# Allegro board 6089-103-RevA_73.brd (continued)
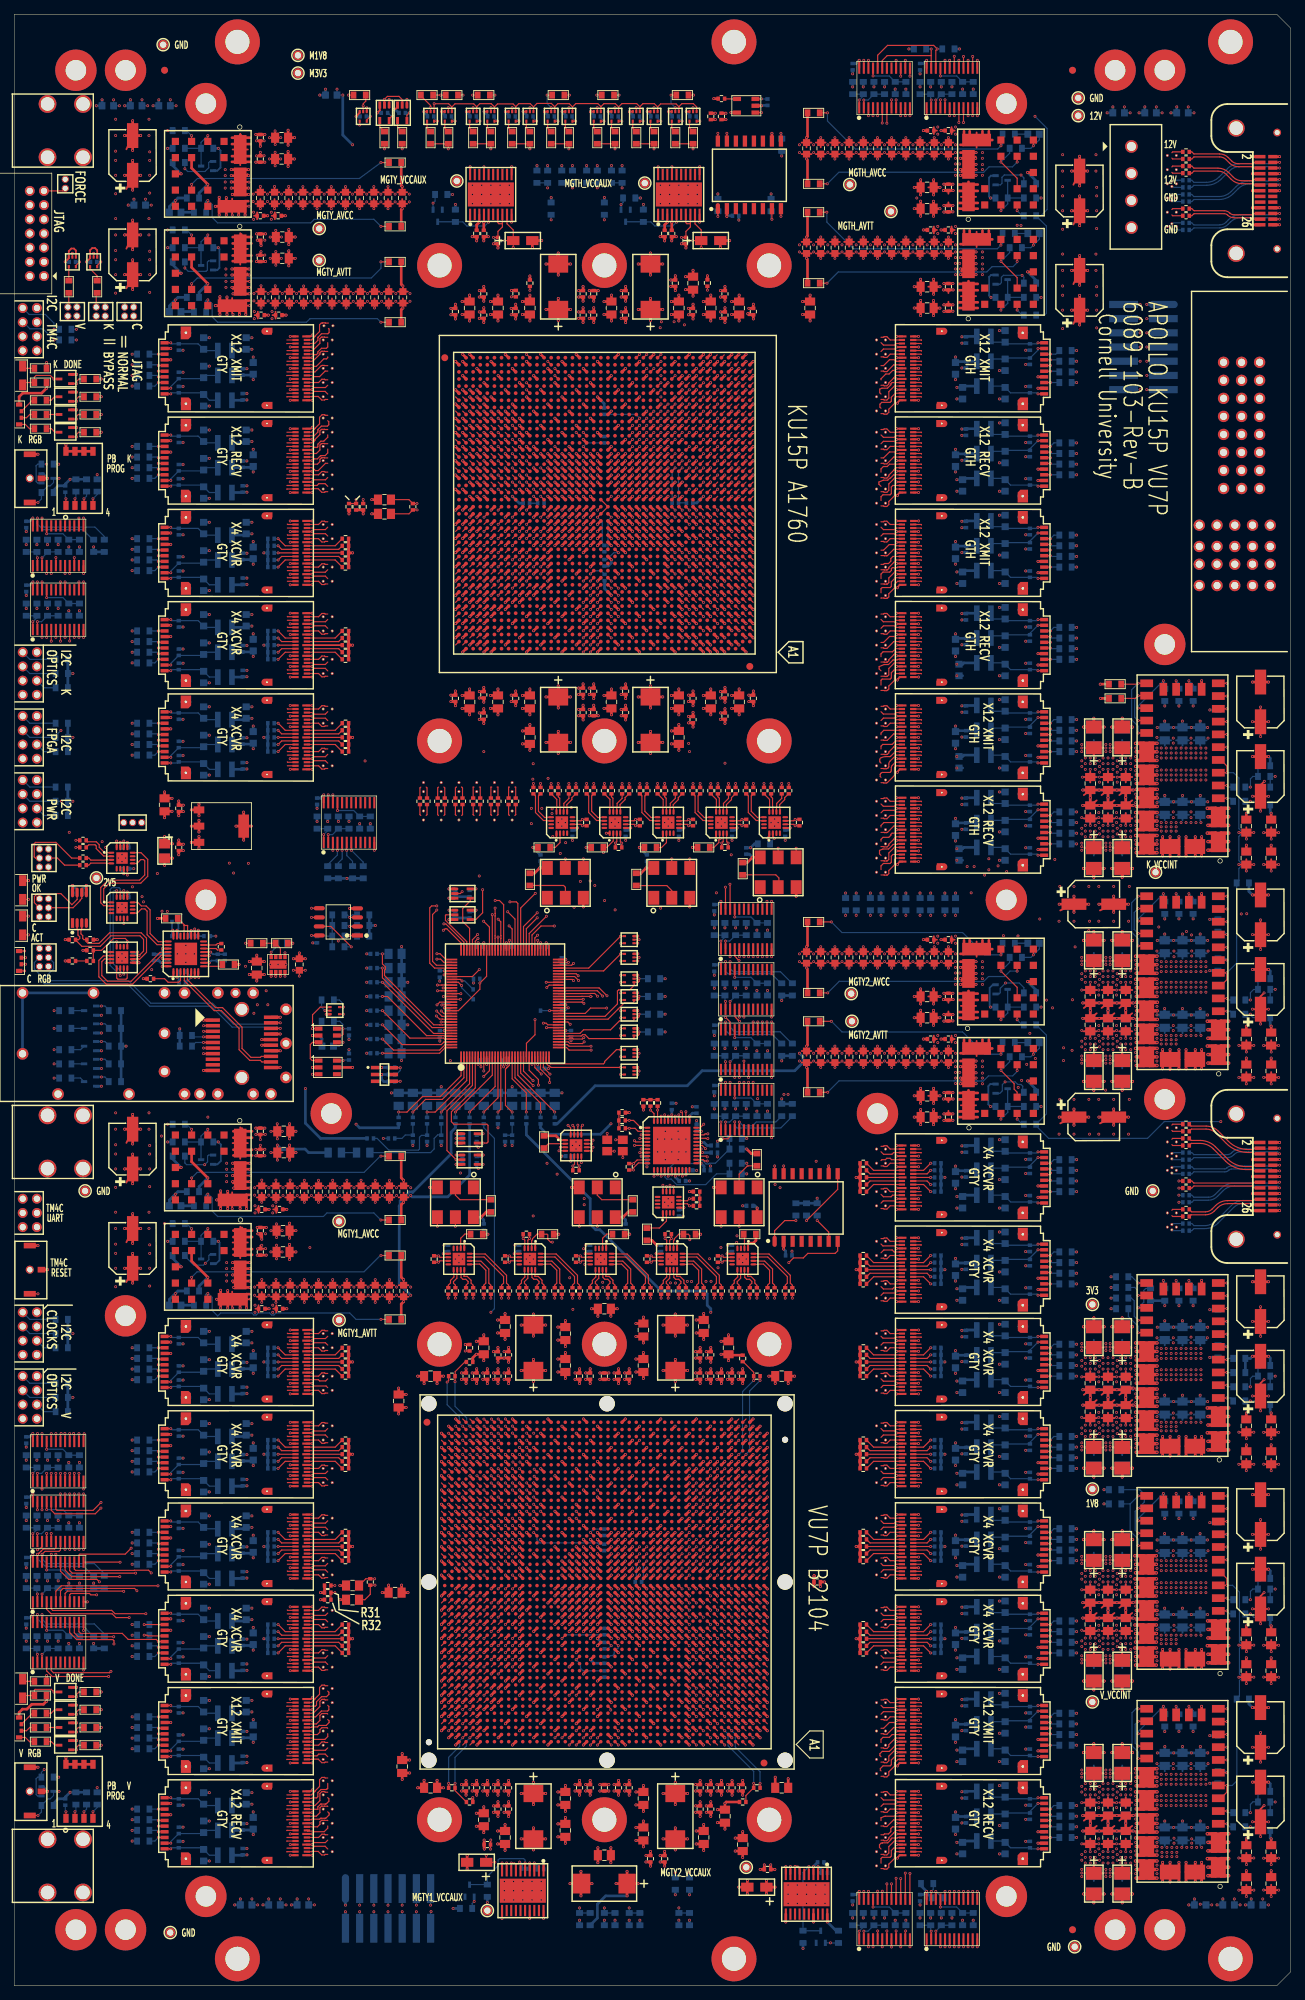
[diagram p0: board, top side]
## Routing (per net, layer and track width the routed paths; a pad name or vN(x,y) marks a point on that pad's centre or on a via; arc(x,y) is an arc through that point) (continued)
N11273298: length 113.5
  TOP w0.165: v1(79.51,142.31) 79.22,142.6 U52.59
  SIG1 w0.079: v1(79.51,142.31) 79.51,144.65 77.28,146.88 77.28,159 78.21,159.93 78.21,165.69 v1(78.55,166.02)
  SIG2 w0.079: v1(78.55,166.02) 77.02,167.55 53.06,167.55 51.4,169.21 29.49,169.21 25.97,172.73 19.81,172.73 7.77,184.76 2.06,184.76 J3.5
N11273351: length 110
  TOP w0.165: v1(78.38,135.48) 78.06,135.8 U52.42
  SIG1 w0.079: v1(72.91,163.75) 72.91,161.63 75.8,158.74 75.8,149.5 75.78,149.48 75.78,149.17 75.8,149.15 75.8,138.03 78.35,135.48 v1(78.38,135.48)
  SIG2 w0.079: v1(72.91,163.75) 52.13,163.75 49.02,166.86 23.85,166.86 23.55,166.55 11.73,166.55 6.32,171.97 2.38,171.97 2.06,172.29 2.06,174.04 J4.5
N11321811: length 50.4
  TOP w0.165: 43.01,149.26 44.65,149.26 v1(47.52,146.38)
  SIG1 w0.079: v1(18.23,152.72) 17.39,153.56 17.39,157.62 16.7,158.31 J16.2
  SIG2 w0.079: v1(18.23,152.72) 21.58,152.72 24.61,149.7 38.24,149.7 41.55,146.38 v1(47.52,146.38)
  BOTTOM w0.165: v1(47.52,146.38) 46.58,146.38 R533.2
N11416929: length 6.9
  TOP w0.165: U66.T29 v1(77.22,48.94)
  BOTTOM w0.165: v1(77.22,48.94) 77.73,49.45 R471.2
N12333393: length 2.6
  TOP w0.165: U124.7 v1(170.95,90.03)
  BOTTOM w0.165: R231.1 170.72,90.26 v1(170.95,90.03)
N12522065: length 1.6
  TOP w0.165: R20.2 R13.1
N12522900: length 4
  TOP w0.165: R28.2 R29.1 37.52,146.21 37.52,144.95
N12570010: length 2.2
  TOP w0.165: U31.8 v1(36.23,145.64)
  BOTTOM w0.165: v1(36.23,145.64) 36.89,146.3 C834.1
N13337343: length 10.1
  TOP w0.165: v1(70.2,123.11) 69.25,124.06 69.25,129.15 69.41,129.31 69.41,129.37 69.49,129.45 69.56,129.45 69.79,129.67 69.79,130 69.73,130.05 69.74,130.05 69.74,130.84 U52.18
  BOTTOM w0.165: R491.2 v1(70.2,123.11) C782.1
N13337502: length 10.3
  TOP w0.165: U52.19 70.2,127.8 72.2,125.8 v1(72.2,123.11)
  BOTTOM w0.165: C779.1 v1(72.2,123.11) R490.2
N13337662: length 10.9
  TOP w0.165: U52.20 70.6,127.95 74.2,124.35 v1(74.2,123.11)
  BOTTOM w0.165: C775.1 v1(74.2,123.11) R487.2
N13337823: length 11.6
  TOP w0.165: v1(76.2,123.11) 71,128.31 U52.21
  BOTTOM w0.165: R483.2 v1(76.2,123.11) C770.1
N13338747: length 13.6
  BOTTOM w0.165: R502.1 R503.1 60.15,119.9 59.7,119.9 59.2,119.4 59.2,117.9 58.7,117.4 R524.2
N13338944: length 2.1
  BOTTOM w0.165: R524.1 R534.2
N13383009: length 1.8
  TOP w0.165: U90.4 100.18,265.87 C271.1
N13723567: length 4.6
  TOP w0.165: U33.1 42.9,130.37 42.01,130.37 41.74,130.64 41.74,132.62 42.06,132.93 U32.3
N13726889: length 69
  TOP w0.165: U33.3 v1(42.04,128.43) ; SW2.2 v1(3.35,97.5)
  SIG3 w0.079: v1(42.04,128.43) 42.04,113.49 41.09,112.54 41.09,111.2 41.69,110.61 v1(41.69,104.02)
  SIG4 w0.079: v1(3.35,97.5) 6.59,97.5 12.69,103.6 34.11,103.6 34.41,103.3 35.8,103.3 36.05,103.06 41.53,103.06 41.69,103.22 v1(41.69,104.02)
N13727369: length 2.4
  TOP w0.165: U32.4 v1(46.36,132.93)
  BOTTOM w0.165: C830.1 45.82,132.4 v1(46.36,132.93)
N13828637: length 2
  BOTTOM w0.165: Q25.3 9.35,127.9 R681.1
N13828747: length 1.8
  BOTTOM w0.165: R680.1 Q24.3
N13828857: length 2
  BOTTOM w0.165: Q23.3 9.35,131.9 R679.1
N13829314: length 2
  TOP w0.165: Q4.3 5.75,218.9 5.25,219.4 R5.1
N13829424: length 1.8
  TOP w0.165: Q3.3 R4.1
N13829534: length 2
  TOP w0.165: Q2.3 5.7,223.9 5.2,223.4 R3.1
N13830015: length 2
  TOP w0.165: Q8.3 5.75,33.9 5.25,34.4 R10.1
N13830125: length 1.8
  TOP w0.165: Q7.3 R9.1
N13830235: length 2
  TOP w0.165: Q6.3 5.7,38.9 5.2,38.4 R8.1
N13855428: length 18.4
  TOP w0.165: D2.4 v1(1.45,143)
  SIG2 w0.079: v1(1.45,143) 1.66,143 2.17,142.49 2.17,131.36 v1(5.63,127.9)
  BOTTOM w0.165: R681.2 v1(5.63,127.9)
N13855430: length 17.1
  TOP w0.165: D2.2 v1(1.6,143.94)
  SIG2 w0.079: v1(1.6,143.94) 2.52,143.02 2.52,132.81 5.43,129.9 v1(5.63,129.9)
  BOTTOM w0.165: R680.2 v1(5.63,129.9)
N13855432: length 15.9
  TOP w0.165: D2.1 v1(1.6,144.86)
  SIG2 w0.079: v1(5.63,131.9) 2.83,134.7 2.83,143.63 v1(1.6,144.86)
  BOTTOM w0.165: R679.2 v1(5.63,131.9)
N13855604: length 2.4
  TOP w0.165: R5.2 2.17,219.4 1.56,220 D1.4
N13855606: length 2
  TOP w0.165: D1.2 1.74,220.94 2.19,221.4 R4.2
N13855608: length 2.4
  TOP w0.165: R3.2 2.56,223.4 D1.1
N13855686: length 2.4
  TOP w0.165: R10.2 2.17,34.4 1.56,35 D3.4
N13855688: length 2
  TOP w0.165: D3.2 1.74,35.94 2.19,36.4 R9.2
N13855690: length 2.4
  TOP w0.165: R8.2 2.56,38.4 D3.1
N13857766: length 1.8
  BOTTOM w0.165: R678.1 Q22.3
N13904881: length 1.8
  TOP w0.165: R1.1 1.52,227.9 D4.2
N13905573: length 1.8
  TOP w0.165: R6.1 1.52,42.9 D7.2
N13906200: length 1.8
  BOTTOM w0.165: R677.1 Q21.3
N13909742: length 106.2
  TOP w0.165: U52.36 78.2,133.4 78.34,133.54 78.66,133.54 78.8,133.4 80.1,133.4 v1(80.3,133.6)
  SIG3 w0.079: v1(80.3,133.6) 80.65,133.6 80.91,133.34 80.91,110.61 v1(80.36,110.06)
  SIG4 w0.079: v1(80.36,110.06) 80.35,110.06 37.09,110.06 36.59,109.56 36.31,109.56 35.81,110.06 34.76,110.06 34.57,110.24 13.68,110.24 12.34,108.9 J6.4
N13910342: length 2.3
  TOP w0.165: 169.75,167.32 v1(170.95,167.32)
  BOTTOM w0.165: v1(170.95,167.32) 171.41,167.32 R216.1
N13910346: length 2.2
  TOP w0.165: U122.4 v1(170.95,169.12)
  BOTTOM w0.165: v1(170.95,169.12) 171.18,168.9 R215.1
N13914390: length 2.3
  TOP w0.165: 169.75,137.32 v1(170.95,137.32)
  BOTTOM w0.165: v1(170.95,137.32) 171.41,137.32 R218.1
N13914416: length 2.2
  TOP w0.165: U123.4 v1(170.95,139.12)
  BOTTOM w0.165: R217.1 171.18,138.9 v1(170.95,139.12)
N13914534: length 2.3
  TOP w0.165: U125.3 v1(170.95,52.83)
  BOTTOM w0.165: R224.1 171.38,52.4 v1(170.95,52.83)
N13914560: length 2.2
  TOP w0.165: U125.4 v1(170.95,54.62)
  BOTTOM w0.165: v1(170.95,54.62) 171.18,54.4 R223.1
N13914678: length 2.3
  TOP w0.165: U126.3 v1(170.95,22.82)
  BOTTOM w0.165: R226.1 171.38,22.4 v1(170.95,22.82)
N13914704: length 2.2
  TOP w0.165: U126.4 v1(170.95,24.62)
  BOTTOM w0.165: v1(170.95,24.62) 171.18,24.4 R225.1
N13914806: length 2.3
  TOP w0.165: U124.3 v1(170.95,82.83)
  BOTTOM w0.165: v1(170.95,82.83) 171.51,82.83 171.84,82.5 R222.1
N13914832: length 2.2
  TOP w0.165: U124.4 v1(170.95,84.62)
  BOTTOM w0.165: R221.1 171.18,84.4 v1(170.95,84.62)
N13966502: length 11.6
  TOP w0.165: U66.AK33 v1(73.24,63.87)
  BOTTOM w0.165: R475.2 82.41,62.23 82.23,62.41 74.13,62.41 73.7,62.84 U66.AK33 v1(73.24,63.87)
N13967707: length 3
  TOP w0.165: U65.R20 v1(85.17,201.93)
  BOTTOM w0.165: v1(85.17,201.93) 84.53,201.93 83.55,200.95 R470.2
N13971172: length 24.7
  TOP w0.165: R102.2 v1(72.7,238.89) ; v1(76.23,216.87) 76.7,216.44 U65.AJ28
  SIG1 w0.079: v1(72.7,238.89) 73.68,237.91 73.68,231.52 75.7,229.5 75.7,217.4 v1(76.23,216.87)
N14020902: length 19.5
  TOP w0.165: D5.1 v1(2.01,153.08)
  SIG2 w0.079: v1(5.63,137.4) 5.63,137.47 6.03,137.87 6.03,147.19 4.16,149.06 3.38,149.06 2.69,149.75 2.69,152.4 v1(2.01,153.08)
  BOTTOM w0.165: R677.2 v1(5.63,137.4)
N14020936: length 18.1
  TOP w0.165: D6.1 v1(2.01,148.08)
  SIG2 w0.079: v1(5.63,134.9) 5.13,135.4 5.13,137.95 5.57,138.39 5.57,147.15 4.64,148.08 v1(2.01,148.08)
  BOTTOM w0.165: R678.2 v1(5.63,134.9)
N14121407: length 3.6
  TOP w0.165: U66.R22 84.7,48.35 v1(85.16,47.93)
  BOTTOM w0.165: R468.2 83.89,46.34 84.07,46.52 84.34,46.52 84.59,46.76 84.59,47.04 85.16,47.62 v1(85.16,47.93)
N14169092: length 5.9
  TOP w0.165: U65.AN17 87.73,220.4 v1(88.17,220.87)
  BOTTOM w0.165: R476.2 87.62,221.42 v1(88.17,220.87)
N14169120: length 2.5
  TOP w0.165: U52.46 v1(75.47,137.4)
  BOTTOM w0.165: v1(75.47,137.4) TP1.1
N14169180: length 4.2
  TOP w0.165: v1(63.08,140.94) 62.62,141.4 U52.105
  BOTTOM w0.165: v1(63.08,140.94) 63.08,140.63 TP3.1
N14169184: length 3.6
  TOP w0.165: U52.104 62.92,141.8 v1(63.13,141.59)
  BOTTOM w0.165: v1(63.13,141.59) 63.52,141.59 TP2.1
N14265313: length 15.2
  TOP w0.165: U65.AW12 v1(93.17,226.87) ; R141.2 v1(97.73,238.92)
  SIG4 w0.079: v1(93.17,226.87) 93.7,227.4 93.7,231.12 97.72,235.14 97.72,238.92 v1(97.73,238.92)
N14265468: length 11.2
  TOP w0.165: U65.BB32 v1(72.23,229.87) ; R99.2 v1(70.09,237.98)
  SIG4 w0.079: v1(72.23,229.87) 72.23,237.46 71.71,237.97 v1(70.09,237.97)
N14265537: length 3.1
  TOP w0.165: U65.M23 v1(81.23,198.93)
  BOTTOM w0.165: R465.2 83.23,198.88 82.73,199.38 81.68,199.38 v1(81.23,198.93)
N14265607: length 14.8
  TOP w0.165: R89.2 v1(63.59,89.45) ; U66.BD38 v1(68.23,77.86)
  SIG2 w0.079: v1(63.59,89.45) 64.14,88.9 64.14,85.06 67.75,81.45 67.75,78.34 v1(68.23,77.86)
N14265676: length 5.7
  TOP w0.165: U66.N27 v1(79.22,45.93)
  BOTTOM w0.165: v1(79.22,45.93) 79.83,45.32 79.83,44.76 80.21,44.38 R467.2
N14265824: length 1.8
  TOP w0.165: U66.R23 v1(84.17,47.93)
  BOTTOM w0.165: R466.2 83.71,47.48 v1(84.17,47.93)

## Copper pours and planes (outline as drawn; the poured copper is in the pictures)
GND on TOP: 13.4,258 13.4,263.5 20,263.5 20,258
GND on TOP: 150.19,54.41 150.19,51.38 158.42,51.38 158.42,54.41
GND on TOP: 30.8,256.1 30.8,252.25 28.1,252.25 28.1,256.1
GND on TOP: 110.1,130.5 110.1,126.9 133.8,126.9 133.8,130.5
GND on TOP: 150.2,168.91 150.2,165.88 158.43,165.88 158.43,168.91
GND on TOP: 146.9,253 146.9,258.5 153.5,258.5 153.5,253
GND on TOP: 110.1,144.5 110.1,140.9 133.8,140.9 133.8,144.5
GND on TOP: 32.84,242.1 32.84,238.16 56.89,238.16 56.89,242.1
GND on TOP: 110.1,258.5 110.1,254.9 133.8,254.9 133.8,258.5
GND on TOP: 160.93,168.83 160.93,165.93 168.53,165.93 168.53,168.83
GND on TOP: 160.9,54.4 160.9,51.4 167.5,51.4 167.5,51.9 168.5,51.9 168.5,54.4
GND on TOP: 150.2,138.91 150.2,135.88 158.43,135.88 158.43,138.91
GND on TOP: 31,116.1 31,112.25 28.3,112.25 28.3,116.1
GND on TOP: 13.4,244 13.4,249.5 20,249.5 20,244
GND on TOP: 150.2,24.39 150.2,21.36 158.43,21.36 158.43,24.39
GND on TOP: 160.9,24.32 160.9,21.41 168.5,21.41 168.5,24.32
GND on TOP: 146.9,239 146.9,244.5 153.5,244.5 153.5,239
GND on TOP: 135.2,244.5 135.2,240.9 138.4,240.9 138.4,244.5
GND on TOP: 150.18,84.39 150.18,81.36 158.41,81.36 158.41,84.39
GND on TOP: 152.4,125.7 152.4,119.1 157.8,119.1 157.8,125.7
GND on TOP: 13.4,118 13.4,123.5 20,123.5 20,118
GND on TOP: 152.4,155.7 152.4,149.1 157.8,149.1 157.8,155.7
GND on TOP: 135.2,144.5 135.2,140.9 138.4,140.9 138.4,144.5
GND on TOP: 110.1,244.5 110.1,240.9 133.8,240.9 133.8,244.5
GND on TOP: 160.94,84.33 160.94,81.42 168.54,81.42 168.54,84.33
GND on TOP: 30.9,242.1 30.9,238.25 28.2,238.25 28.2,242.1
GND on TOP: 31,102.1 31,98.25 28.3,98.25 28.3,102.1
GND on TOP: 135.2,130.5 135.2,126.9 138.4,126.9 138.4,130.5
GND on TOP: 32.95,102.1 32.95,98.16 56.99,98.16 56.99,102.1
GND on TOP: 160.94,138.83 160.94,135.93 168.54,135.93 168.54,138.83
GND on TOP: 13.4,104 13.4,109.5 20,109.5 20,104
GND on TOP: 135.2,258.5 135.2,254.9 138.4,254.9 138.4,258.5
GND on TOP: 32.74,256.1 32.74,252.16 56.79,252.16 56.79,256.1
GND on TOP: 32.95,116.1 32.95,112.16 56.99,112.16 56.99,116.1
VCC_1V8 on TOP: 158.4,81.1 158.4,74.9 150.2,74.9 150.2,81.1
VCC_1V8 on TOP: 160.9,81.1 160.9,78 164.4,78 164.4,79 167.8,79 167.8,81.1
VCC_1V8 on BOTTOM: 150.21,81.04 150.21,74.25 170.96,74.25 170.96,81.04 ; 1 cut-out
VCC_2V5 on PWR3: 1.2,124.9 1.2,170.9 31.7,170.9 31.7,138.9 42.2,138.9 42.2,124.9 ; 9 cut-outs
VCC_3V3 on TOP: 158.4,90.8 158.4,84.7 150.2,84.7 150.2,90.8
VCC_3V3 on TOP: 160.9,91.6 160.9,84.7 168.4,84.7 168.4,91.6
VCC_3V3 on BOTTOM: 150.19,91.69 150.19,84.9 170.94,84.9 170.94,91.69
VCC_12V on TOP: 13.4,98.1 13.4,103.6 20,103.6 20,98.1
VCC_12V on TOP: 128.7,254.7 128.7,248.9 136,248.9 136,254.7
VCC_12V on TOP: 152.1,155.7 152.1,149.1 146.8,149.1 146.8,155.7
VCC_12V on TOP: 178.7,180.4 178.7,156.4 164.9,156.4 164.9,162.9 171.2,162.9 171.2,180.4
VCC_12V on TOP: 30.5,247.9 30.5,242.35 33.85,242.35 33.85,242.1 37.91,242.1 37.91,247.9
VCC_12V on TOP: 13.4,112.1 13.4,117.6 20,117.6 20,112.1
VCC_12V on TOP: 13.4,238.1 13.4,243.6 20,243.6 20,238.1
VCC_12V on TOP: 152.1,125.7 152.1,119.1 146.8,119.1 146.8,125.7
VCC_12V on TOP: 30.6,107.9 30.6,102.35 33.95,102.35 33.95,102.1 38.01,102.1 38.01,107.9
VCC_12V on TOP: 128.7,240.7 128.7,234.9 136,234.9 136,240.7
VCC_12V on TOP: 13.4,252.1 13.4,257.6 20,257.6 20,252.1
VCC_12V on TOP: 178.7,35.9 178.7,11.9 164.9,11.9 164.9,18.4 171.2,18.4 171.2,35.9
VCC_12V on TOP: 146.9,233.1 146.9,238.6 153.5,238.6 153.5,233.1
VCC_12V on TOP: 178.7,65.9 178.7,41.9 164.9,41.9 164.9,48.4 171.2,48.4 171.2,65.9
VCC_12V on TOP: 30.6,121.9 30.6,116.35 33.95,116.35 33.95,116.1 38.01,116.1 38.01,121.9
VCC_12V on TOP: 146.9,247.1 146.9,252.6 153.5,252.6 153.5,247.1
VCC_12V on TOP: 30.4,261.9 30.4,256.35 33.75,256.35 33.75,256.1 37.8,256.1 37.8,261.9
VCC_12V on TOP: 178.7,150.4 178.7,126.4 164.9,126.4 164.9,132.9 171.2,132.9 171.2,150.4
VCC_12V on TOP: 128.7,140.7 128.7,134.9 136,134.9 136,140.7
VCC_12V on TOP: 128.7,126.7 128.7,120.9 136,120.9 136,126.7
VCC_12V on TOP: 178.7,95.9 178.7,71.9 164.9,71.9 164.9,78.4 171.2,78.4 171.2,95.9
VCC_12V on PWR3: 123.7,170.9 123.7,149.9 125.2,149.9 125.2,170.9
VCC_M1V8 on PWR2: 47.2,120.9 47.2,259.9 48.7,259.9 48.7,120.9
VCC_M1V8 on PWR4: 1.2,276.4 1.2,239.9 12.7,239.9 12.7,258.4 97.2,258.4 97.2,262.4 109.2,262.4 109.2,276.4
VCC_M3V3 on PWR1: 97.2,126.9 97.2,154.9 35.7,154.9 35.7,139.9 41.2,139.9 41.2,126.9 51.2,126.9 51.2,115.4 67.2,115.4 67.2,121.4 76.7,121.4 76.7,126.9
VCC_M3V3 on PWR2: 178.7,1.4 169.7,1.4 169.7,262.9 102.7,262.9 102.7,258.4 49.2,258.4 49.2,260.4 46.7,260.4 46.7,1.4 1.2,1.4 1.2,276.4 178.7,276.4 ; 12 cut-outs
(no net) on GND1, GND2, GND3, GND4, GND5, GND6: 1.2,1.4 1.2,276.4 178.7,276.4 178.7,1.4 ; 274 cut-outs
(no net) on PWR1: 1.2,1.4 1.2,276.4 178.7,276.4 178.7,1.4 ; 253 cut-outs
(no net) on PWR3: 27.2,114.9 27.2,108.4 43.2,108.4 43.2,100.9 68.2,100.9 68.2,74.4 65.7,74.4 65.7,72.9 68.2,72.9 68.2,56.9 69.7,56.9 69.7,51.4 67.2,51.4 67.2,45.9 67.7,45.9 67.7,18.9 82.7,18.9 82.7,114.9 ; 2 cut-outs
(no net) on PWR3: 139.2,261.9 139.2,255.9 123.7,255.9 123.7,249.4 95.7,249.4 95.69,171.9 83.7,171.9 83.7,261.9
(no net) on PWR3: 27.7,254.9 27.7,248.6 43.2,248.6 43.2,241.9 71.7,241.9 71.7,171.9 82.7,171.9 82.7,254.9
(no net) on PWR3: 178.69,276.41 178.69,1.4 1.2,1.4 1.2,123.9 43.2,123.9 43.2,139.9 32.7,139.9 32.7,170.9 124.2,170.9 124.2,149.9 82.7,149.9 82.7,115.9 26.2,115.9 26.2,107.4 42.2,107.4 42.2,100.9 26.2,100.9 26.2,17.9 124.7,17.9 124.7,126.9 140.2,126.9 140.2,135.4 124.7,135.4 124.7,140.9 140.2,140.9 140.2,149.9 124.7,149.9 124.7,240.9 140.2,240.9 140.2,249.4 124.7,249.4 124.7,254.9 140.2,254.9 140.2,262.9 82.7,262.9 82.7,255.9 26.7,255.9 26.7,247.6 42.2,247.6 42.2,241.9 26.2,241.9 26.2,171.9 1.2,171.9 1.2,276.34 ; 274 cut-outs
(no net) on PWR3: 83.7,148.9 83.7,18.9 97.7,18.9 97.7,33.4 100.2,33.4 100.2,36.4 97.2,36.4 97.2,39.9 97.7,39.9 97.7,41.9 97.2,41.9 97.2,43.9 97.7,43.9 97.7,46.4 97.2,46.4 97.2,67.4 98.2,67.4 98.2,68.9 97.7,68.9 97.7,71.4 100.2,71.4 100.2,74.9 97.7,74.9 97.7,135.4 123.7,135.4 123.7,141.9 139.2,141.9 139.2,148.9 ; 2 cut-outs
(no net) on PWR4: 1.2,1.4 1.2,238.9 13.7,238.9 13.7,257.4 98.2,257.4 98.2,261.4 110.2,261.4 110.2,276.4 167.7,276.4 167.7,261.9 159.2,261.9 159.2,84.9 168.2,84.9 168.2,70.4 151.7,70.4 151.7,12.9 168.2,12.9 168.2,1.4 ; 72 cut-outs
(no net) on PWR4: 168.7,276.4 168.7,260.9 160.2,260.9 160.2,85.9 169.2,85.9 169.2,69.4 152.7,69.4 152.7,13.9 169.2,13.9 169.2,1.4 178.7,1.4 178.7,276.4 ; 201 cut-outs
K_MGTH_AVCC on TOP: 138.2,262.9 138.2,258.8 110.1,258.8 110.1,262.9
K_MGTH_AVTT on TOP: 138.2,248.9 138.2,244.8 110.1,244.8 110.1,248.9
K_MGTH_AVTT on PWR3: 96.7,248.4 96.7,171.9 123.7,171.9 123.7,241.9 139.2,241.9 139.2,248.4
K_MGTH_VCCAUX on PWR1: 92.7,246.9 92.7,173.4 105.7,173.4 105.7,246.9
K_MGTY_AVCC on TOP: 28.11,252.5 28.09,248.59 56.8,248.59 56.8,251.93 30.25,251.95 30.25,252.5
K_MGTY_AVTT on TOP: 28.21,238.5 28.19,234.6 40.4,234.6 40.4,235.1 56.9,235.1 56.91,237.93 30.35,237.95 30.35,238.5
K_MGTY_AVTT on PWR3: 27.2,240.9 27.2,171.9 70.7,171.9 70.7,240.9
K_MGTY_VCCAUX on PWR1: 60.7,246.9 60.7,173.4 74.7,173.4 74.7,246.9
K_VCCINT on TOP: 161,176.1 161,169.2 168.5,169.2 168.5,176.1
K_VCCINT on TOP: 160.9,165.6 160.9,162.5 164.4,162.5 164.4,163.5 167.8,163.5 167.8,165.6
K_VCCINT on TOP: 158.4,145.31 158.4,139.21 150.2,139.21 150.2,145.31
K_VCCINT on TOP: 161,146.1 161,139.2 168.4,139.2 168.4,146.1
K_VCCINT on TOP: 158.4,165.62 158.4,159.41 150.2,159.41 150.2,165.62
K_VCCINT on TOP: 158.4,135.59 158.4,129.4 150.2,129.4 150.2,135.59
K_VCCINT on TOP: 158.4,175.31 158.4,169.21 150.2,169.21 150.2,175.31
K_VCCINT on TOP: 160.9,135.5 160.9,132.5 164.4,132.5 164.4,133.4 167.7,133.4 167.7,135.5
K_VCCINT on BOTTOM: 150.19,146.16 150.19,139.37 170.94,139.37 170.94,146.16
K_VCCINT on BOTTOM: 150.19,165.46 150.19,158.66 170.94,158.66 170.94,165.46 ; 2 cut-outs
K_VCCINT on BOTTOM: 150.19,135.5 150.19,128.71 170.94,128.71 170.94,135.5 ; 1 cut-out
K_VCCINT on BOTTOM: 150.19,176.15 150.19,169.35 170.94,169.35 170.94,176.15
K_VCCINT on PWR1: 75.7,246.9 75.7,173.4 91.7,173.4 91.7,246.9
K_VCCINT on PWR2: 49.2,257.4 49.2,128.4 168.7,128.4 168.7,261.9 103.7,261.9 103.7,257.4 ; 5 cut-outs
V_MGTY1_AVCC on TOP: 28.31,112.5 28.29,108.58 57.01,108.58 57.01,111.92 30.45,111.95 30.45,112.5
V_MGTY1_AVTT on TOP: 28.31,98.5 28.29,94.58 57.01,94.58 57.01,97.92 30.45,97.95 30.45,98.5
V_MGTY1_AVTT on PWR3: 27.2,99.9 27.2,18.9 66.7,18.9 66.7,27.4 67.2,27.4 67.2,45.4 66.7,45.4 66.7,51.9 68.7,51.9 68.7,56.4 67.69,56.4 67.71,72.4 65.2,72.4 65.2,74.9 67.7,74.9 67.7,99.9
V_MGTY1_VCCAUX on PWR1: 60.7,95.4 60.7,16.4 70.7,16.4 70.7,95.4
V_MGTY2_AVCC on TOP: 138.2,148.9 138.2,144.8 110.1,144.8 110.1,148.9
V_MGTY2_AVTT on TOP: 138.2,134.9 138.2,130.8 110.1,130.8 110.1,134.9
V_MGTY2_AVTT on PWR3: 98.2,134.4 98.2,75.4 100.7,75.4 100.7,70.9 98.2,70.9 98.2,69.4 98.7,69.4 98.7,66.9 97.7,66.9 97.7,46.9 98.7,46.9 98.7,43.4 97.7,43.4 97.7,42.4 98.7,42.4 98.7,39.4 97.7,39.4 97.7,36.9 100.7,36.9 100.7,32.4 98.7,32.4 98.7,18.9 123.7,18.9 123.7,127.9 139.2,127.9 139.2,134.4 ; 1 cut-out
V_MGTY2_VCCAUX on PWR1: 95.7,11.9 95.7,95.4 105.7,95.4 105.7,18.9 111.2,18.9 111.2,11.9
V_VCCINT on TOP: 161,31.5 161,24.7 168.5,24.7 168.5,31.5
V_VCCINT on TOP: 160.9,21.1 160.9,18 164.4,18 164.4,19 167.8,19 167.8,21.1
V_VCCINT on TOP: 158.4,30.78 158.4,24.68 150.2,24.68 150.2,30.78
V_VCCINT on TOP: 160.9,51.1 160.9,48 164.4,48 164.4,49 167.7,49 167.7,51.1
V_VCCINT on TOP: 158.4,60.79 158.4,54.69 150.2,54.69 150.2,60.79
V_VCCINT on TOP: 158.4,51.05 158.4,44.84 150.2,44.84 150.2,51.05
V_VCCINT on TOP: 160.9,61.6 160.9,54.7 168.5,54.7 168.5,61.6
V_VCCINT on TOP: 158.4,21.07 158.4,14.88 150.2,14.88 150.2,21.07
V_VCCINT on BOTTOM: 150.19,31.5 150.19,24.7 170.94,24.7 170.94,31.5
V_VCCINT on BOTTOM: 150.19,61.7 150.19,54.91 170.94,54.91 170.94,61.7
V_VCCINT on BOTTOM: 150.18,20.95 150.18,14.15 170.93,14.15 170.93,20.95 ; 2 cut-outs
V_VCCINT on BOTTOM: 150.19,50.98 150.19,44.19 170.94,44.19 170.94,50.98 ; 2 cut-outs
V_VCCINT on PWR1: 76.7,11.9 94.7,11.9 94.7,95.4 71.7,95.4 71.7,19.9 76.7,19.9
V_VCCINT on PWR2: 49.7,127.4 49.7,119.4 47.7,119.4 47.7,1.4 168.7,1.4 168.7,127.4 ; 55 cut-outs

## Text on the board
User.Comments: ATCA -3.57,16.7 | BOARD 0,0 | BOARD 3.57,-16.7 | ATCA 0,0 | Dwg Number:  6089-103-revB | Contact: | 607-255-0687 | Cornell University | crs5@cornell.edu | Charlie Strohman | BOARD SPECIFICATIONS CONTAINED IN FILE: | README_FAB_6089-103-RevB.PDF
Ref Des/Silkscreen Top: K | V | C | RGB | ACT | PWR | OK | TM4C | UART | RESET | 1 | DONE | GND | 2V5 | 4 | PROG | PB | M1V8 | M3V3 | MGTY_AVCC | MGTY_AVTT | MGTY1_AVCC | MGTY1_AVTT | MGTY_VCCAUX | MGTY1_VCCAUX | MGTH_VCCAUX | MGTY2_VCCAUX | MGTH_AVTT | MGTH_AVCC | MGTY2_AVCC | MGTY2_AVTT | 3V3 | 1V8 | 12V | V_VCCINT | K VCCINT | R31 | R32 | I2C | OPTICS | FPGA | CLOCKS | JTAG | FORCE | BYPASS | NORMAL | GTY | X12 XMIT | X12 RECV | X4 XCVR | A1 | GTH | Cornell University | KU15P A1760 | VU7P B2104 | 6089-103-Rev-B | APOLLO KU15P VU7P
XSECTION_CHART: *  SURFACE - AIR 0 MM | *  DIELECTRIC - SOLDERMASK 0.0203 MM | L1 TOP CONDUCTOR - 1OZ_COPPER 0.0356 MM | *  DIELECTRIC - MEG6_PREG_1027X1 0.095 MM | L2 GND1 PLANE - HALF_OZ_COPPER 0.0152 MM | *  DIELECTRIC - MEG6_CORE_1078X1 0.0737 MM | L3 SIG1 CONDUCTOR - HALF_OZ_COPPER 0.0152 MM | *  DIELECTRIC - MEG6_PREG_1027X1 0.1087 MM | L4 GND2 PLANE - HALF_OZ_COPPER 0.0152 MM | L5 SIG2 CONDUCTOR - HALF_OZ_COPPER 0.0152 MM | *  DIELECTRIC - MEG6_PREG_1027X1 0.1057 MM | L6 GND3 PLANE - 1OZ_COPPER 0.0305 MM | *  DIELECTRIC - MEG6_PREG_1027X1 0.0737 MM | L7 PWR1 PLANE - 2OZ_COPPER 0.066 MM | *  DIELECTRIC - MEG6_CORE_1078X1 0.064 MM | L8 PWR2 PLANE - 2OZ_COPPER 0.066 MM | L9 PWR3 PLANE - 2OZ_COPPER 0.066 MM | L10 PWR4 PLANE - 2OZ_COPPER 0.066 MM | L11 GND4 PLANE - 1OZ_COPPER 0.0305 MM | L12 SIG3 CONDUCTOR - HALF_OZ_COPPER 0.0152 MM | L13 GND5 PLANE - HALF_OZ_COPPER 0.0152 MM | L14 SIG4 CONDUCTOR - HALF_OZ_COPPER 0.0152 MM | L15 GND6 PLANE - HALF_OZ_COPPER 0.0152 MM | L16 BOTTOM CONDUCTOR - 1OZ_COPPER 0.0356 MM | DESIGN CROSS SECTION CHART | ___________________________ | TOTAL THICKNESS 1.8212 MM | 1-16 | B16-4-3 | B16-6-5 | B16-13-12 | B16-15-14 | OVERHANGING COMPONENTS | 5 PLACES | ADD MIN 0.5" ASSEMBLY RAILS ROUTED ON | ALL 4 SIDES WITH MOUSEBITES | ADD 0.125" TOOLING HOLES - 4 PLACES | ADD 0.040" FIDUCIALS ON BOTH TOP AND BOTTOM | ROUT OUT THESE AREAS AS SHOWN FOR
User.8: FIGURE | FINISHED_SIZE | 0.2032 | 0.7 | 0.7112 | 0.762 | 0.8382 | 0.889 | 0.9398 | 1.02 | 1.0414 | 1.1684 | 1.27 | 1.5494 | 1.905 | 1.91 | 2.8956 | 3.4036 | 0.8636 | 0.89 | 1.45 | 1.6256 | 2.2098 | 3.2 | DRILL CHART: TOP to BOTTOM | ALL UNITS ARE IN MILLIMETERS | PLATED | NON-PLATED | QTY | 1100 | 8485 | 4 | 35 | 3 | 50 | 1 | 94 | 9 | 44 | 10 | 2 | 12 | 19 | 18 | 100 | 8
